# KiCad board r1_panel.kicad_pcb (continued)
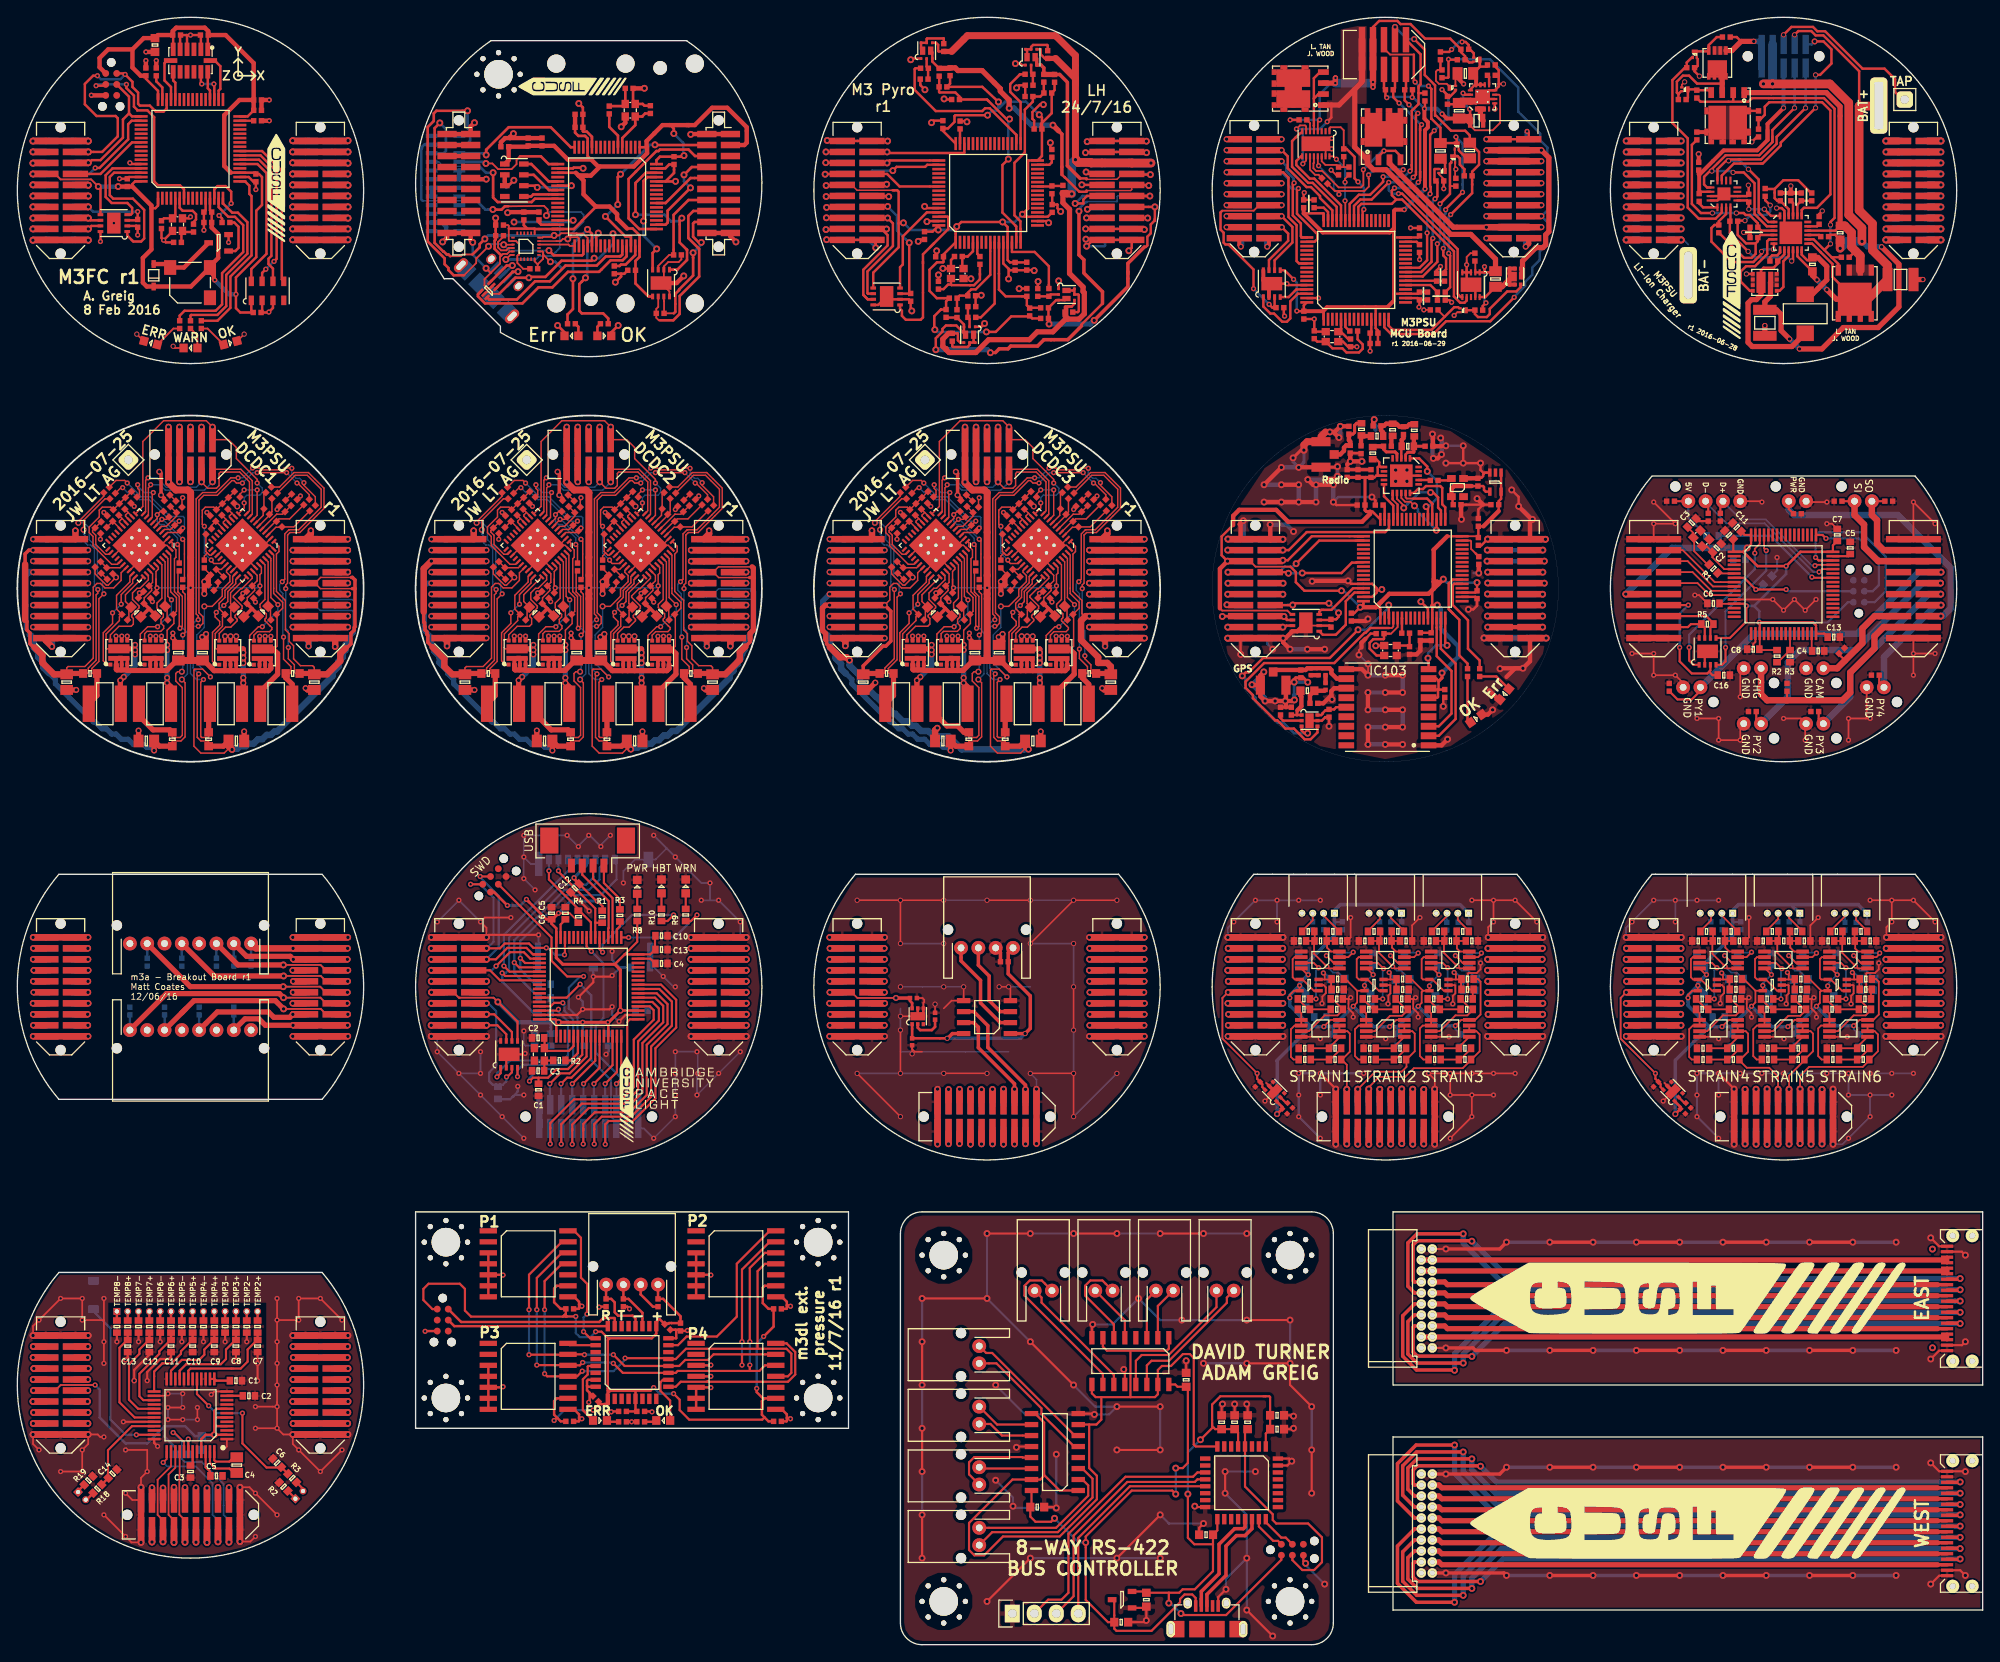
[diagram p0: board, top side]
## Nets (continued)
Net-(U1-Pad22): U1#3.22
Net-(U1-Pad23): U1#3.23
Net-(U1-Pad24): U1#3.24
Net-(Y201-Pad1): Y201.1

Pads without a net: IC1 2 3 4 8 9 10 11 20 25 26 27 28 29 30 33 37 38 39 40 41 42 43 51 52 53 54 56 57 58 59; IC1#13 18; IC2 4; IC2#12 7 8 9 10; IC4 3 9 10 11; LS1 3; P1 6; Y1#3 3 4; Y1#4 3 4

## Via types
v1: diameter 0.8, hole 0.4, Top to Bottom, 704 vias
v2: diameter 0.7, hole 0.4, Top to Bottom, 471 vias
v3: diameter 0.6, hole 0.3, Top to Bottom, 745 vias
v4: diameter 0.6, hole 0.4, Top to Bottom, 81 vias

## Routing (per net, layer and track width the routed paths; a pad name or vN(x,y) marks a point on that pad's centre or on a via; arc(x,y) is an arc through that point)
1v8: length 7.1
  Top w0.28: C4#11.1 165.77,131.78 165.77,132.85 ; U1.4 169.6,133.2 169.4,133.4 169.4,133.74 169.29,133.85 C8#13.2 167.99,133.85
  Top w0.5: Y201.4 165.64,133.53 165.96,133.85 167.99,133.85
3v3: length 1274.3
  Top w0.16: 101.09,168.01 97,168.01 96.38,168.63 J9.9
  Top w0.2: 160.2,72.18 159.28,72.18 v3(158.5,71.4) ; v3(210.2,77.4) 209.48,78.12 IC1#5.8 ; 196.65,120.3 196.7,120.25 IC1#7.13 ; 194.1,76.2 IC4#3.5 193.45,75.55 192.97,75.07 v3(192.97,74.73) ; 200.75,75.55 199.4,76.9 199.25,76.9 ; 200.75,75.55 200.75,74.2 v3(200.3,73.75) ; 200.75,75.55 IC7#2.5 v3(201.6,76.15) ; 208.35,75.55 208.2,75.4 208.2,74.15 v3(207.8,73.75) ; 208.35,75.55 IC2#5.5 v3(209.1,76.1) ; 208.35,75.55 207,76.9 206.75,76.9 ; 141.29,125.02 J101.5 142.38,125.17 143.02,124.54 147.05,124.54 ; v3(196.9,71.4) 197.68,72.18 198.7,72.18 ; v3(161.8,73.75) 162.2,74.15 162.2,75.4 162.35,75.55 ; v3(146.97,74.73) 146.97,75.07 147.45,75.55 IC4#2.5 148.1,76.2 ; IC1#4.8 163.48,78.12 v3(164.2,77.4) ; J1.7 4.38,169.91 5.01,169.27 8.53,169.27 v1(9.35,168.45) ; L1#4.2 167.8,175.5 168.35,174.95 170.4,174.95 171.26,175.81 171.26,178.94 171.14,179.06 IC2#11.7 ; v1(55.5,74.25) 55.01,74.74 51.06,74.74 51.05,74.75 50.99,74.75 50.38,75.37 J1#2.11 ; v3(204.5,71.4) 205.28,72.18 206.2,72.18 ; 56.76,163.59 56.76,163.9 56.66,164 C14#9.2 ; 56.76,163.59 56.76,163.59 ; 56.76,163.59 56.76,162.22 56.83,162.15 IC4#4.8 57.6,162.15 57.95,161.8 57.95,160.6 57.93,160.58 57.88,160.58 57.75,160.45 IC4#4.13 57.75,159.63 58.43,158.95 C13#11.2 ; v3(154.3,73.75) 154.75,74.2 154.75,75.55 ; 160.75,76.9 161,76.9 162.35,75.55 ; IC6#2.8 201.88,78.12 v3(202.6,77.4) ; 162.35,75.55 IC2#4.5 v3(163.1,76.1) ; 101.23,168.01 101.09,168.01 ; v3(166.1,71.5) 166.78,72.18 168.38,72.18 169,72.8 169,76.6 168.7,76.9 168.25,76.9 ; IC1#7.19 201.25,115.2 ; IC6.8 155.88,78.12 v3(156.6,77.4) ; v3(8.98,30) 5.01,30 4.38,29.37 J1#6.11 ; IC101.32 168.6,128.05 C104.2 ; v3(155.6,76.15) IC7.5 154.75,75.55 ; 214.25,76.9 214.7,76.9 215,76.6 215,72.8 214.38,72.18 212.78,72.18 v3(212.1,71.5) ; 198.33,126.28 IC1#7.1 ; IC3#3.8 195.03,77.4 v3(195.1,77.4) ; IC3#2.8 149.03,77.4 v3(149.1,77.4) ; 154.75,75.55 153.4,76.9 153.25,76.9 ; IC4#4.1 59.75,163.45 59.84,163.54 60.26,163.54 ; 203.2,114.9 201.2,114.9 201.1,115 ; 64.8,83.5 63.8,84.5 v3(62.5,84.5) ; 147.28,119.03 147.13,119.03 146.69,119.46 139.16,119.46 138.9,119.72 138.94,119.72 ; 152.7,72.18 151.68,72.18 v3(150.9,71.4)
  Top w0.25: IC1#7.19 201.25,118.05 v3(201.2,118.1) ; 86.3,26.26 86.04,26 77.6,26 76.5,27.1 76.5,28.3 v3(75.8,29) ; 63.35,38.24 63.35,38.07 63.5,37.92 ; 63.35,38.24 63.2,38.09 ; 63.35,38.24 C1#15.1 ; 63.5,37.92 63.37,37.92 ; 63.5,37.92 v3(64.5,37.92) ; 63.37,37.92 63.35,37.9 63.01,37.9 ; 63.37,37.92 63.2,38.09 ; IC1#7.13 199.45,120.25 v3(199.7,120) 199.7,118.2 197.8,116.3 IC2#6.5 ; C11#6.1 199.5,128.2 IC1#7.64 200.25,127.15 v1(199.8,126.7) ; v3(66.8,36.16) 67.48,36.16 68.24,35.4 68.4,35.4 ; 63.01,37.9 63.2,38.09 ; 63.01,37.9 52.4,37.9 51.7,38.6 51.7,41.1 51.1,41.7 47.5,41.7 46.9,41.1 46.9,39.81 47.94,38.77 P1#3.1 ; IC1#7.48 209.7,127 C7#6.1 ; 209.1,116.3 C13#7.1 208.7,116.8 IC1#7.32 207.75,117.75 ; 67.6,84.85 67.6,85.3 v3(67,85.9) 66.89,85.9 C12#2.1 ; 57.78,69.75 57.78,71.97 v1(55.5,74.25) ; C12#6.1 198.2,126.36 IC1#7.1 199.35,126.25 ; 61.75,83.75 61.7,83.75 C6#3.1 ; C7#14.1 67.12,27.72 v3(66.5,27.1) ; 70.15,79.75 71.6,81.2 R8#5.1 ; 73.65,81.9 73.65,80.3 73.1,79.75 IC1#3.32 ; 71.34,29.34 73.14,29.34 v3(73.5,29.7) ; v3(62,25.9) 62.3,26.2 62.36,26.2 ; v3(65.3,71.9) 64.9,71.9 ; 64.8,83.35 64.8,83.5 ; v3(204.3,124.6) 204.4,124.6 ; 64.3,88.49 v3(64.3,88.6)
  Top w0.28: 150.89,153.58 IC1#12.1 150.89,153.97 150.81,154.05 ; IC1#12.64 148.59,154.72 C5#12.2 147.8,154.05 v3(147.78,154.07) ; v3(147.41,157.73) 146.36,158.78 IC3#5.5 ; 156.91,154.51 156.91,154.6 156.91,154.53 156.89,154.51 IC1#12.13 156.89,152.08 157.15,151.82 C6#12.2 C9#10.2 ; 159.01,162.57 158.96,162.62 ; 159.01,162.57 IC1#12.32 161.76,162.57 C4#9.2 ; 159.01,162.57 159.01,162.2 159.01,162.2 ; v3(167.75,177.39) 167.8,177.34 L1#4.2 ; v3(166.98,179.24) 167.16,179.06 IC2#11.14 ; 166.3,176.08 C14#10.1 ; v3(158.17,178.72) 158.02,178.87 R7#5.1 157.85,179.8 J3#2.5 ; v3(161.11,178.75) 161.14,178.78 R8#9.1 ; v3(162.52,177.44) 162.58,177.5 R10#7.1 ; R8#10.1 194.47,167.84 IC2#12.14 ; 159.01,156.03 159.04,156.03 159.04,156.04 159.01,156.07 IC1#12.19 161.75,156.07 C7#11.2 C3#12.2 ; C8#2.2 118.34,176.42 v1(118.03,176.74) ; C8#2.2 118.34,171.97 IC1#2.32 116.8,171.46 116.74,171.4 116.74,165.9 v1(116.09,165.25) 116.38,164.96 IC1#2.19 119.02,164.96 C11#2.2 ; C8#2.2 118.24,175.21 118.24,175.69 119.47,176.92 D2#2.1 119.8,179.59 R2#3.1 ; IC1#6.8 23,27.25 22.75,27 22.75,26 ; IC4.6 18,185.9 C14.1 ; C1#15.1 62.76,38.8 62,39.56 62,41.14 62.32,41.46 IC1#15.9 ; IC101.19 168.4,121.55 C107.2 v1(168.6,122.7) ; IC1.64 13.6,169.05 13.29,168.74 13.29,168.45 ; 116.56,159.64 116.65,159.55 ; 27.45,177.4 C3.2 26.6,176.55 IC1.32 ; 101.09,168.01 101.64,168.01 101.8,167.85 101.8,164.23 ; J9.9 95.22,168.56 v1(93.42,168.56) ; C7#14.1 67.41,27.79 67.79,27.79 67.8,27.8 68.3,27.8 68.3,28.3 IC5#4.1 68.2,29.06 ; IC2#2.5 98.86,158.5 101.8,161.44 101.8,164.23 ; C8.2 14.85,180.9 16.25,179.5 IC1.48 16.25,179.1 ; 163.42,121.82 163.42,119.64 163.43,119.63 IC101.13 163.43,117.03 C108.2 C106.2 ; C4#12.1 62.76,25.8 62,26.56 62,28.14 62.32,28.46 IC3#6.9 ; C8#14.1 C9#12.1 71.4,27.1 IC5#4.5 71.4,29.28 71.34,29.34 68.48,29.34 ; 22.75,26 23,26.25 IC1#6.6 ; 22.75,26 22.75,25.25 ; 68.2,29.34 68.2,29.06 ; 68.2,29.34 68.34,29.2 ; 68.2,29.34 68.2,29.6 ; 68.2,29.06 68.34,29.2 ; v1(152.94,121.76) 148.65,121.76 147.67,122.74 147.67,123.91 147.05,124.54 ; 140.43,129.35 139.1,128.02 139.1,125.85 v1(139.78,125.17) J101.5 ; C202.1 156.75,134.85 156.95,135.05 157.12,135.05 ; 157.3,136.2 157.12,136.02 157.12,135.05 ; 157.3,136.2 157.3,136.6 156.95,136.95 L201.1 ; 157.3,136.2 157.45,136.05 IC201.6 ; 101.8,164.23 102.32,164.23 v1(102.34,164.26) ; v3(86.2,35.6) 87.35,36.75 C2#16.1 86.76,38.8 86.1,39.46 86.1,41.24 86.32,41.46 IC2#13.9 ; 62.25,80.15 IC1#3.48 62.25,82.75 ; 164.09,110.29 164.09,110.33 164.11,110.35 ; 164.09,110.29 164.15,110.35 ; 164.09,110.29 164.09,109.49 164,109.4 IC103.6 163.05,109.45 ; D1#9.1 111.45,179.97 v1(113.32,178.23) 113.26,178.16 ; D1#9.1 107.74,180.34 R3#3.1 ; D1#9.1 107.22,179.82 ; C9#2.2 105.71,163.24 IC1#2.64 106.43,163.5 v1(106.37,163.43) ; IC1#7.48 208.25,126.25 ; IC1#6.45 21.25,23.75 21.75,24.25 v1(22.75,24.25) ; 24.67,170.05 IC1.19 27.5,170.05 27.65,169.9 27.91,169.9 28.26,169.55 28.26,166.32 27.6,165.66 27.6,160.3 25.25,157.95 v3(25.25,156) 25.25,154.4 25.75,153.9 C17.1 27.03,154.12 IC2.1 ; 157.12,135.05 IC201.8 ; 106.68,154.24 R4#3.1 107.27,155.18 D3#8.1 106.2,155.55 105.36,156.4 105.36,158.84 106.21,159.69 106.91,159.69 106.97,159.75 C7#2.2 106.97,160.6 IC1#2.1 108.38,163.71 v1(108.5,163.83) 109.03,164.36 v1(113.8,164.36) 114.38,163.78 IC1#2.13 114.38,159.96 114.65,159.68 C10#2.2 116.57,159.68 C13#2.2 ; 106.68,154.24 106.67,154.24 105.91,153.48 105.91,151.98 v1(105.98,151.91) ; 106.68,154.24 106.62,154.18 ; 148.57,165.34 148.59,165.36 150.84,165.36 150.89,165.31 IC1#12.48 150.89,165.03 ; C5.2 C9.2 22.25,165.7 IC1.13 ; 157.31,120.24 157.31,119.75 157.43,119.63 IC101.1 ; 68.2,29.6 68.46,29.34 68.48,29.34 ; 68.2,29.6 68.2,35.2 68.4,35.4 73.28,35.4 73.8,35.92 IC5#4.17 73.8,37.3 74.1,37.6 74.2,37.6 C6#15.1 74.86,37.1 75.22,37.1 75.28,37.16 75.56,37.16 75.57,37.15 C5#15.1 76.6,37.94 74.59,39.95 D5#2.1 J1#15.1 ; IC1#3.32 70.15,79.75 69,78.6 ; 68.34,29.2 68.48,29.34 ; IC4#6.9 86.32,28.46 ; 86.32,28.46 86.12,28.46 85.4,29.18 v3(85.4,29.6) ; 86.32,28.46 86,28.14 86,26.56 86.76,25.8 C3#15.1 ; IC1.1 16.25,166.25 15.95,165.95 15.49,165.95 ; C113.1 164.16,110.34 164.15,110.35 ; 155.66,134.8 155.71,134.85 ; 22.75,25.25 v1(22.75,24.25) ; 22.75,25.25 IC1#6.4 ; v1(22.75,24.25) IC1#6.2 ; 169.34,129.2 C103.2 C104.2 ; C16.1 22,185.9 IC4.1 ; IC1#3.1 62.25,71.65 v1(62.5,71.9) 62.15,72.25 IC1#3.64 ; 164.15,110.35 163.15,110.35 IC103.7 ; 164.15,110.35 164.15,111.35 163.9,111.6 IC103.8 ; v3(68.2,71.9) 68.25,71.85 IC1#3.13 ; IC101.32 165.15,128.05 ; C105.2 154.41,119.16 v1(155.1,119.85) 155.48,120.22 IC101.64 ; v1(112.07,176.69) 108.34,176.69 108.24,176.59 108.24,175.91 107.49,175.16 C12.2 106.9,174.89 IC1#2.48 ; v1(9.35,168.45) 9.6,168.2 IC3.5 ; 22.8,158.55 LS1.1 ; v1(111.94,151.66) 113.01,151.66 114.8,153.45 116.86,153.45 D4#6.1 117.22,153.22 R7.1 ; 163.43,116.97 163.35,116.9 ; IC101.48 156.53,130.9 156.24,130.9 ; IC1#3.19 v2(69.65,73.25) ; 157.66,120.6 157.55,120.48 ; 171.1,130.96 C7#13.2 171.1,132.1 171.38,132.37 U1.5 U1.1 ; 207.75,117.75 207.4,118.1
  Top w0.3: 64.51,170.04 IC1#11.19 ; v3(58.8,86.1) 59.1,85.8 ; 59.1,85.8 61.1,83.8 C6#3.1 61.7,83.3 62.25,82.75 ; 59.1,85.8 58.9,86 ; C4#8.2 58.5,163.98 58.89,163.59 ; 66.27,171.58 65.87,171.98 IC1#11.13 65.87,174 65.57,174.3 64.8,174.3 64.42,174.68 C9#9.2 64.37,175.24 ; IC1#11.32 64.29,163.54 65.23,164.48 65.23,164.5 66.86,166.14 ; IC1#11.32 59.77,163.54 59.72,163.59 58.89,163.59 ; IC1#11.32 61.82,163.54 ; 76.6,171.9 C5#11.2 74.23,171.9 73.82,171.49 IC1#11.64 ; 76.6,171.9 76.84,171.9 ; 76.6,171.9 76.88,171.9 v1(77,172.02) ; v3(201.2,118.1) 207.4,118.1 ; IC2#10.5 72.9,155.75 71.4,157.25 C8#10.2 71.4,159.86 71.86,160.32 71.86,161.58 IC1#11.48 71.87,162.81 71.08,163.6 70.43,163.6 ; 114.17,70.59 IC2#14.1 ; 67.08,170.77 67.3,170.77 ; 58.89,163.59 56.76,163.59 ; v1(199.8,126.7) 199.35,126.25 201,124.6 v3(204.3,124.6) 205.95,126.25 208.25,126.25 ; v3(56.6,85.4) 55.05,86.95 P1#2.1 ; v1(75.83,174.57) 75.83,175.14 75.42,175.55 75.34,175.55 ; 72.74,172.99 IC1#11.1 ; IC10#2.1 192.09,62.12 C37#2.1 192.09,61.89 v2(191.5,61.3) ; 107.45,70.05 C2#17.1 IC1#16.1 ; IC10.1 146.09,62.12 C37.1 146.09,61.89 v2(145.5,61.3)
  Top w0.35: v1(62.5,71.9) v3(68.2,71.9) ; C6#14.1 C201.1 C202.1 ; v1(164.56,112.26) 164.56,111.69 164.21,111.35 164.15,111.35 ; 62.25,80.15 62.25,79.35 63,78.6 69,78.6 69.65,77.95 v2(69.65,73.25) 68.25,71.85 ; 155.66,134.8 C109.2 155.66,131.06 155.82,130.9 156.24,130.9 ; v3(62.5,84.5) 61.75,83.75 ; C12#2.1 64.3,88.49
  Top w0.4: 107.45,70.05 108,70.59 IC2#14.8 ; J4#7.1 114.45,79.95 D1#11.2 114.45,77.5 117,74.95 117,71.2 v4(116.4,70.6) 116.4,70.59 IC2#14.1
  Top w0.45: 159.01,163.64 159.01,165.64 159.15,165.78 v3(160.19,165.78) ; 159.01,163.64 158.51,163.14 150.77,163.14 148.57,165.34 C8#11.2 ; 159.01,163.64 159.01,155.28 158.24,154.51 151.27,154.51 150.81,154.05 C5#12.2 ; v3(162.59,168.18) 162.59,168.18 162.59,174.96 162.92,175.29 162.92,175.9 162.52,176.3 v3(162.52,177.44) ; v3(164.57,176.84) 165.1,176.31 C14#10.1 ; 202.15,173.82 200.96,172.63 197.08,172.63 194.26,169.81 ; 202.15,173.82 202.15,174.97 ; 202.15,173.82 202.15,175.68 v4(204,177.53) ; 194.26,169.81 194.2,169.86 C10#12.1 ; 194.26,169.81 R8#10.1
  Top w0.5: 70.43,163.6 69.3,164.72 69.28,164.72 69.28,165.27 68.4,166.14 66.81,166.14 65.4,167.55 65.4,169.15 64.84,169.71 ; 77.57,175.55 78.25,175.55 80.25,177.55 82,177.55 84.25,175.3 84.25,173.52 83.98,173.25 J2#7.3 ; 77.57,175.55 77.29,175.55 ; 77.57,175.55 74.53,175.55 73.58,174.6 73.58,174.6 72.68,173.7 72.68,172.99 ; 22.25,159.25 23.2,160.2 23.2,162.96 22.45,163.71 C5.2 ; 169.34,129.2 171.1,130.96 ; 72.74,172.99 72.74,172.31 71.2,170.77 67.3,170.77 66.25,169.71 64.84,169.71 ; C13.1 16.25,185.95 C14.1 17.95,186.4 18.35,186.8 21.65,186.8 22.05,186.4 C16.1 24.06,185.95 27.3,182.71 C2.2 ; C13.1 14.6,185.6 13.3,184.3 ; C13.1 16.1,185.8 ; 164.1,122.5 163.6,122 ; 164.1,122.5 164.2,122.6 ; 164.1,122.5 163.9,122.5 163.6,122.8 ; 163.6,122 163,121.4 158.46,121.4 156.91,119.85 v1(155.1,119.85) ; 163.6,122 163.6,122 163.6,122.8 ; 13.3,184.3 10.5,184.3 9.5,183.3 9.5,182.23 P1.1 ; 13.3,184.3 13.3,182.2 14.25,181.25 C8.2 ; 64.84,169.71 64.51,170.04 ; 64.84,169.71 65.79,169.71 ; 58.95,173.05 59,173.1 ; v1(164,120.1) 163.9,120 163.42,120 ; 138.9,119.72 138.9,124.3 v1(139.78,125.17) ; C2.2 25.65,178.45 23.9,176.7 23.9,170.82 24.67,170.05 ; C2.2 C3.2 ; 163.6,122.8 163.6,126.5 165.15,128.05 ; 163.6,122.8 164,122.8 164.2,122.6 ; 164.2,122.6 v1(164.7,123.1) ; v1(11.65,168.45) C4.2 13.29,168.45 15.49,166.25 15.49,161.19 14.5,160.2 14.5,157.35 14.95,156.9 D4.1 20.05,156.9 LS1.1 22.25,158.65 22.7,158.2 22.7,157.75 v3(22.8,157.65) ; 67.08,170.77 66.27,171.58 63.57,171.58 62,173.15 C7#10.2 C3#11.2 58.9,173.05 C15#8.1 56.75,171.5 IC3#4.1 ; C6#11.2 C9#9.2 ; 156.24,130.9 156.24,130.64 155.33,129.72 146.78,129.72 145.4,131.1 141.13,131.1 140.43,130.4 140.43,129.35
  Top w0.74: v1(1.8,169.9) 1.81,169.91 J1.7 ; v2(20,134.32) J3#3.5 ; J1#2.11 v1(47.84,75.37) ; J1#7.11 v1(185.78,121.36) ; v2(66,134.32) J3#4.5 ; J1#6.11 v1(1.87,29.37) ; v2(112,134.32) J3#5.5
  Top w1: L1#4.2 167.54,176.31 C14#10.1
  Bottom w0.2: C25#5.1 202.3,75.45 v3(201.6,76.15) 201.6,76.4 v3(202.6,77.4) C24#5.1 ; v3(212.1,71.5) 212.1,71.1 C33#2.1 ; J9#2.1 159.9,84.47 D3#10.2 ; C29#4.1 163.1,75.7 v3(163.1,76.1) 163.1,76.3 v3(164.2,77.4) 164.2,78.4 C32#4.1 ; D6#3.2 198.13,83.5 ; D6#2.2 152.13,83.5 ; v1(9.35,168.45) 8.53,169.27 5.01,169.27 4.38,169.91 J2#11.7 ; v1(55.5,74.25) 55.01,74.74 51,74.74 50.38,75.37 J3#7.11 ; D9#3.2 213.65,84.47 J8#2.1 ; C29#5.1 209.1,75.7 v3(209.1,76.1) 209.1,76.3 v3(210.2,77.4) 210.2,78.4 C32#5.1 ; v3(166.1,71.5) 166.1,71.1 C33.1 ; 142.38,125.17 J102.5 ; D3#11.2 205.9,84.47 J9#3.1 ; J8.1 167.65,84.47 D9#2.2 ; C24#4.1 v3(156.6,77.4) 155.6,76.4 v3(155.6,76.15) 156.3,75.45 C25#4.1 ; J3#11.11 4.38,29.37 5.01,30 v3(8.98,30)
  Bottom w0.25: v3(66.8,36.16) 66.18,35.53 64.97,35.53 64.5,36 v3(64.5,37.92) ; v3(75.8,29) 74.2,29 v3(73.5,29.7) ; C31#5.1 195.8,71.8 195.4,71.4 ; v2(69.65,73.25) 69.7,73.3 C9#14.1 ; v3(201.2,118.1) 209.1,118.1 211.43,120.43 P1#5.1 ; v3(66.5,27.1) 63.2,27.1 v3(62,25.9) ; 65.3,70.65 v3(65.3,71.9) ; v3(68.2,71.9) 68.3,71.8 68.3,70.65 ; v1(199.8,126.7) 199.6,126.5 C15#11.1 ; C31#4.1 149.8,71.8 149.4,71.4
  Bottom w0.28: v3(147.41,157.73) 147.78,157.36 v3(147.78,154.07) ; v3(167.75,177.39) 166.98,178.16 v3(166.98,179.24) ; v3(158.17,178.72) 158.26,178.81 161.05,178.81 v3(161.11,178.75) 161.21,178.75 v3(162.52,177.44) ; v1(113.32,178.23) 113.32,177.66 113.36,177.63 113.48,177.63 ; v1(116.09,165.25) 115.19,164.36 v1(113.8,164.36) ; J10.9 93.49,168.63 v1(93.42,168.56) ; 61.6,72.2 C14#11.1 ; 61.6,72.2 R7#10.2 R6#10.2 R5#13.2 ; 61.6,72.2 61.6,72 61.7,71.9 61.65,71.85 ; 107.56,163.43 103.16,163.43 v1(102.34,164.26) ; 107.56,163.43 108.11,163.43 v1(108.5,163.83) ; 107.56,163.43 v1(106.37,163.43) ; v1(152.94,121.76) 153.08,121.62 153.33,121.62 v1(155.1,119.85) ; v3(8.98,30) 9.5,29.48 9.5,26.25 12.5,23.25 15,23.25 16.25,24.5 ; 113.48,177.63 114.02,178.16 ; 113.48,177.63 113.09,177.23 112.61,177.23 v1(112.07,176.69) ; 113.48,177.63 114.11,178.26 116.51,178.26 v1(118.03,176.74) ; v3(85.4,29.6) 85.4,34.8 v3(86.2,35.6) ; 17,25.25 17,24.03 18.3,22.73 R1#16.1 ; 17,25.25 19.37,25.25 20.52,24.1 C15#12.1 22.6,24.1 v1(22.75,24.25) ; 17,25.25 16.25,24.5 ; 16.25,24.5 16.5,24.75 ; C8#16.1 59.75,71.9 ; 106.41,151.65 106.24,151.65 v1(105.98,151.91) ; 106.41,151.65 111.92,151.65 v1(111.94,151.66) ; 106.41,151.65 106.26,151.65 ; v1(164.7,123.1) 165.1,122.7 v1(168.6,122.7) ; J102.5 v1(139.78,125.17) ; 57.9,71.85 57.85,71.9
  Bottom w0.3: v3(204.3,124.6) 204.3,123.7 200.6,120 ; v1(75.83,174.57) 76.93,173.47 76.93,172.1 v1(77,172.02) ; v3(56.6,85.4) 58.1,85.4 v3(58.8,86.1) ; 200.6,120 201.2,119.4 v3(201.2,118.1) ; 200.6,120 v3(199.7,120)
  Bottom w0.35: v3(64.3,88.6) 65.7,90 U1#2.4 ; v3(67,85.9) 63.9,85.9 v3(62.5,84.5)
  Bottom w0.4: C23#4.1 149.1,78.5 ; v3(194.1,76.15) 194.8,75.45 C27#5.1 ; v3(194.1,76.15) 192.97,75.02 v3(192.97,74.73) 192.97,73.83 195.4,71.4 ; v3(194.1,76.15) 194.1,76.4 v3(195.1,77.4) 195.1,78.5 ; 151.95,71.4 152,71.35 C34.1 ; 151.95,71.4 v3(150.9,71.4) 149.4,71.4 ; 151.95,71.4 v3(154.3,73.75) 156.65,71.4 v3(158.5,71.4) 159.45,71.4 ; 205.45,71.4 205.48,71.4 205.5,71.38 C28#5.1 ; 205.45,71.4 v3(204.5,71.4) 202.65,71.4 v3(200.3,73.75) 197.95,71.4 ; 205.45,71.4 v3(207.8,73.75) 210.05,71.5 v3(212.1,71.5) ; v3(148.1,76.15) 148.8,75.45 C27#4.1 ; v3(148.1,76.15) 146.97,75.02 v3(146.97,74.73) 146.97,73.83 149.4,71.4 ; v3(148.1,76.15) 148.1,76.4 v3(149.1,77.4) 149.1,78.5 ; v2(191.5,61.3) 191.5,67.5 195.4,71.4 ; C28#4.1 159.5,71.38 159.48,71.4 159.45,71.4 ; v4(116.4,70.6) 115.85,70.05 v4(107.4,70.05) ; J8.1 166.63,85.5 158.88,85.5 ; 204.88,85.5 212.63,85.5 J8#2.1 ; 204.88,85.5 J9#3.1 ; 204.88,85.5 198.8,85.5 198.13,84.82 J7#2.1 198.13,81.93 195.1,78.9 195.1,78.5 ; 195.4,71.4 v3(196.9,71.4) 197.95,71.4 ; v2(145.5,61.3) 145.5,67.5 149.4,71.4 ; 197.95,71.4 198,71.35 C34#2.1 ; 159.45,71.4 v3(161.8,73.75) 164.05,71.5 v3(166.1,71.5) ; 195.1,78.5 C23#5.1 ; 158.88,85.5 152.8,85.5 152.13,84.82 J7.1 152.13,81.93 149.1,78.9 149.1,78.5 ; 158.88,85.5 J9#2.1
  Bottom w0.45: v3(164.57,176.84) 163.97,177.44 v3(162.52,177.44) ; J6#11.5 v4(204,177.53) ; v3(162.59,168.18) v3(160.19,165.78)
  Bottom w0.5: 166,113.7 165.84,113.54 ; 165.84,113.54 166.4,114.1 166.4,115.39 164.4,117.39 164.4,119.7 v1(164,120.1) ; 165.84,113.54 v1(164.56,112.26) ; v1(62.5,71.9) 57.85,71.9 v1(55.5,74.25) ; v3(22.8,157.65) 24.45,156 v3(25.25,156) ; v1(11.65,168.45) v1(9.35,168.45)
  Bottom w0.74: J2#11.7 1.81,169.91 v1(1.8,169.9) ; J6#9.5 v2(66,134.32) ; J6#10.5 v2(112,134.32) ; J6#8.5 v2(20,134.32) ; v1(47.84,75.37) J3#7.11 ; v1(1.87,29.37) J3#11.11 ; v1(199.8,126.7) 191.11,126.7 v1(185.78,121.36)
5v: length 9.2
  Top w0.5: 52.37,169.44 52.5,169.3 v1(54.16,169.3)
  Bottom w0.5: U1#3.10 U1#3.12 ; U1#3.12 U1#3.11 ; U1#3.12 v1(54.16,169.3)
+3V3: length 73
  Top w0.25: IC1#17.17 138.6,13.2 C8#15.1 138.1,11.6 ; 144.2,28.7 144.6,28.7 144.7,28.6 C4#13.1 C3#16.1 144.2,24.4 IC1#17.1 ; 144.2,28.7 138.95,28.7 138,27.75 138,25.25 ; 144.2,28.7 143.9,28.7 ; 133,6 v1(133,4.8) ; 133,6 134.2,6 134.6,6.4 136,6.4 138.1,8.5 138.1,11.6 ; 133,6 C10#13.1 ; 138.2,25.05 138,25.25 ; 138.2,25.05 138.35,24.9 C7#15.1 C6#16.1 141,24.5 IC1#17.5 ; 138.2,25.05 138.03,25.05 v1(136.65,23.68) ; 138,25.25 138,25.6 ; IC2#15.2 130.25,6.15 C10#13.1 ; v1(135.2,17.4) 135.2,12.35 135.95,11.6 138.1,11.6 ; C10#13.1 130.43,6 ; v1(134.4,3.6) 134.58,3.42 139.61,3.42 145.99,9.8 145.99,10.32 P1#4.1
  Bottom w0.25: v1(134.4,3.6) 133.2,4.8 v1(133,4.8) ; v1(136.65,23.68) 135.2,22.22 v1(135.2,17.4)
+5V: length 67.5
  Top w0.25: C9#13.1 125.98,2.6 123.4,5.18 v1(123.4,11.8) 123.4,12.49 128.71,17.8 133.4,17.8 v1(133.8,17.4) ; C9#13.1 126.7,4.95 IC2#15.3 126.25,5.2 ; C9#13.1 126.7,2.57 ; C9#13.1 126.7,1.85 126.95,1.6 131,1.6 134.3,4.9 134.3,5.29 134.81,5.8 135.7,5.8 136.1,5.4 J1#17.1 ; v1(133.8,20.4) 134.6,20.4 135.2,21 135.2,29.6 C1#12.1 134,29.8 133.74,30.06 IC4#7.16 ; v1(119.8,14.6) 119.4,14.2 117.6,14.2 117,14.8 C2#13.1 117.14,16.04 IC3#7.16
  Top w0.4: 126.7,5.15 126.65,5.2 ; 134.98,29.7 135,29.7
  Bottom w0.25: v1(133.8,17.4) v1(133.8,20.4) ; v1(123.4,11.8) 122.6,11.8 v1(119.8,14.6)
/3v3_AUX1: length 242.1
  Top w0.16: v3(124.3,134.2) 124.38,134.2 125.72,132.86 R11#7.2 ; R13#7.2 114.1,104.3 114,104.4 113.2,104.4 112.78,104.82 112.78,111.98 v3(112.95,112.15) ; v3(114.3,111.8) 113.4,112.7 112.5,112.7 112.4,112.6 112.4,103.8 113.2,103 115.89,103 116.4,103.52 C15#7.1 ; v3(118,134.2) 117.3,134.2 117.02,134.48 116.79,134.48 115.09,132.78 113.53,132.78 112.98,132.22 112.98,119.21 113.44,118.75 113.44,117.99 113.1,117.65 v3(112.9,117.65) ; v3(123.1,135.4) v3(119.7,135.4) ; v2(113.6,119.95) 114.5,119.95 115.67,121.12 115.67,121.92 116.55,122.81 116.55,123.52 116.16,123.9 116.16,124.1 IC1#10.27
  Top w0.28: 139.68,166.3 v2(139.67,166.3) ; v2(185.82,166.1) 185.83,166.09 ; J9.13 95.23,166.04 v1(93.47,166.04) ; v1(139.71,120.14) 139.76,120.09 J101.13
  Top w0.4: J1#9.13 49.28,120.09 v2(47.82,120.09) ; J1#8.13 3.28,120.09 v2(1.82,120.09) ; J2#8.13 224.39,12.41 v1(224.4,12.4) ; v2(93.82,120.09) 95.28,120.09 J1#10.13 ; 93.37,116.11 93.47,116.01 93.47,115.63 93.84,115.25 ; v1(167,5.7) 161.64,5.7 160.01,7.33 160.01,10.72 161.38,12.09 J1#13.13
  Top w0.6: J1#11.13 139.68,166.3 ; 93.37,116.11 93.37,116.8 92.99,117.17 92.99,119.75 93.33,120.09 v2(93.82,120.09) ; R13#7.2 115.8,103.8 C15#7.1
  Top w0.74: v2(96.12,113.72) 95.77,114.07 95.02,114.07 93.84,115.25 ; v1(1.8,166.1) 1.81,166.09 J1.13 ; J1#6.13 v1(1.81,28.09) ; J1#2.13 v1(47.81,74.09) ; C15#7.1 116.4,103.83 v2(116.79,103.44) ; J1#3.13 v2(139.81,74.09) ; J1#4.13 v2(185.81,74.09) ; v2(93.81,74.09) J1#16.13 ; J1#5.13 v2(1.81,74.09)
  Top w0.8: 185.83,166.09 J1#12.13
  Bottom w0.16: 112.32,116.35 112.32,112.79 112.95,112.16 v3(112.95,112.15) ; 112.32,116.35 112.32,117.52 ; 112.32,116.35 112.32,117.52 ; v3(112.9,117.65) 112.45,117.65 112.32,117.52 ; v2(113.6,119.95) 113.6,117.52 112.73,116.65 112.73,113.37 v3(114.3,111.8) ; v3(119.7,135.4) 119.28,135.4 119.27,135.4 119.2,135.4 v3(118,134.2) ; v3(124.3,134.2) v3(123.1,135.4)
  Bottom w0.28: v2(139.67,166.3) 139.68,166.3 ; 185.83,166.09 v2(185.82,166.1) ; v1(139.71,120.14) 141.59,120.14 J102.13 141.62,120.08 ; v1(93.47,166.04) 93.53,166.09 J10.13
  Bottom w0.4: 1.83,120.09 v2(1.82,120.09) ; 47.83,120.09 v2(47.82,120.09) ; 93.83,120.09 v2(93.82,120.09)
  Bottom w0.6: 139.68,166.3 J2#15.13 ; v1(167,5.7) 167,7.91 171.49,12.4 v1(224.4,12.4)
  Bottom w0.7: J2#13.13 47.83,120.09 ; J2#14.13 93.83,120.09 ; J2#12.13 1.83,120.09
  Bottom w0.74: v2(116.79,103.44) 116.3,103.44 116.28,103.42 109.09,103.42 107.56,104.95 105.82,104.95 105.22,105.55 104.4,105.55 103.8,106.15 103.33,106.15 102.79,106.69 102.26,106.69 101.4,107.55 101.18,107.55 99.24,109.49 99.19,109.49 97.3,111.38 97.3,111.95 96.12,113.13 v2(96.12,113.72) ; J2#11.13 1.81,166.09 v1(1.8,166.1) ; J3#8.13 v2(139.81,74.09) ; v2(1.81,74.09) J3#10.13 ; J3#12.13 v2(93.81,74.09) ; J3#9.13 v2(185.81,74.09) ; v1(1.81,28.09) J3#11.13 ; J3#7.13 v1(47.81,74.09)
  Bottom w0.8: J2#16.13 185.83,166.09
/3v3_AUX2: length 47.6
  Top w0.28: 139.68,165.03 v2(139.67,165.03) ; 185.83,164.82 v2(185.82,164.82) ; v1(139.18,118.78) 139.22,118.83 J101.15 ; J9.15 93.47,164.82 v1(93.45,164.84)
  Top w0.4: J1#8.15 1.83,118.83 v2(1.82,118.82) ; v2(93.82,118.82) 93.83,118.83 J1#10.15 ; v2(47.82,118.82) 47.83,118.83 J1#9.15
  Top w0.6: 141.14,165.03 139.68,165.03
  Top w0.74: J1#6.15 v1(1.88,26.82) ; J1#3.15 v2(139.88,72.82) ; J1#5.15 v2(1.83,72.82) ; J1#2.15 v1(47.83,72.82) ; v1(1.8,164.8) 1.83,164.82 J1.15 ; J1#4.15 v2(185.88,72.82) ; v2(93.88,72.82) J1#16.15
  Top w0.8: J1#12.15 185.83,164.82
  Bottom w0.28: v2(139.67,165.03) 139.68,165.03 ; v2(185.82,164.82) 185.83,164.82 ; v1(93.45,164.84) 95.62,164.84 J10.15 ; J102.15 141.6,118.78 v1(139.18,118.78)
  Bottom w0.4: 3.63,118.82 J2#12.15 ; 95.63,118.82 J2#14.15 ; 49.63,118.82 J2#13.15
  Bottom w0.6: 139.68,165.03 141.49,165.03
  Bottom w0.7: v2(93.82,118.82) 95.63,118.82 ; v2(1.82,118.82) 3.63,118.82 ; v2(47.82,118.82) 49.63,118.82
  Bottom w0.74: v1(1.88,26.82) J3#11.15 ; v2(1.83,72.82) J3#10.15 ; J3#9.15 v2(185.88,72.82) ; J3#8.15 v2(139.88,72.82) ; v1(1.8,164.8) 1.83,164.82 J2#11.15 ; v1(47.83,72.82) J3#7.15 ; J3#12.15 v2(93.88,72.82)
  Bottom w0.8: 185.83,164.82 J2#16.15
/3v3_DL: length 250.8
  Top w0.16: R14#7.1 109.9,104.4 110.9,104.4 111.38,104.88 111.38,111.12 v2(111,111.5) ; R16#7.1 110.55,123.9 110.55,121.61 111.06,121.1 111.06,117.62 110.99,117.62 v3(110.79,117.42) 110.79,117.6 110.7,117.69 110.7,121.1 110.15,121.65 110.15,125.45 110.32,125.62 110.32,125.62 110.32,126.48 109.9,126.9 109.9,127.3 IC2#9.1
  Top w0.18: v2(101.49,74.72) 97.03,74.72 96.38,75.37
  Top w0.2: v2(185.84,75.37) 185.19,74.71 185.19,70.02 v3(189.2,66) 189.21,66.01 ; 143.21,66.01 v3(143.2,66) 139.19,70.02 139.19,74.71 v2(139.84,75.37) ; J1#16.11 96.38,75.37
  Top w0.25: 144.11,64.09 IC10.6 143.8,64.41 143.8,64.75 143.55,65 C35.1 143.2,65.37 v3(143.2,66) ; 190.11,64.09 IC10#2.6 189.8,64.41 189.8,64.75 189.55,65 C35#2.1 189.2,65.37 v3(189.2,66)
  Top w0.28: 139.68,167.56 v2(139.67,167.57) ; 185.83,167.37 v2(185.82,167.37) ; J9.11 93.49,167.37 v1(93.42,167.3) ; J101.11 139.82,121.36 v1(139.8,121.35)
  Top w0.3: C1#16.1 103.1,74.38 103.35,74.12 IC1#16.6
  Top w0.4: C1#16.1 101.5,74.7 v2(101.49,74.72) ; J1#13.11 161.38,13.37 159.41,11.39 159.41,7.08 161.59,4.9 v1(166,4.9) ; J2#8.11 224.38,13.68 v1(224.4,13.7) ; v2(93.82,121.37) 93.83,121.36 J1#10.11 ; v2(1.82,121.37) 1.83,121.36 J1#8.11 ; v2(47.82,121.37) 47.83,121.36 J1#9.11
  Top w0.6: 141.14,167.56 139.68,167.56 ; R14#7.1 108.4,103.8 C16#8.1 v2(107.8,103.3)
  Top w0.74: v1(1.8,167.35) 1.82,167.37 J1.11 ; J1#3.11 v2(139.84,75.37) ; J1#4.11 v2(185.84,75.37) ; J1#16.11 v2(93.84,75.37)
  Top w0.8: J1#12.11 185.83,167.37
  Bottom w0.16: v2(111,111.5) 111.65,112.15 111.65,116.9 111.13,117.42 v3(110.79,117.42)